# Altium PCB Thermostat_8CH.PCBDOC (part 6 of 10) (continued)
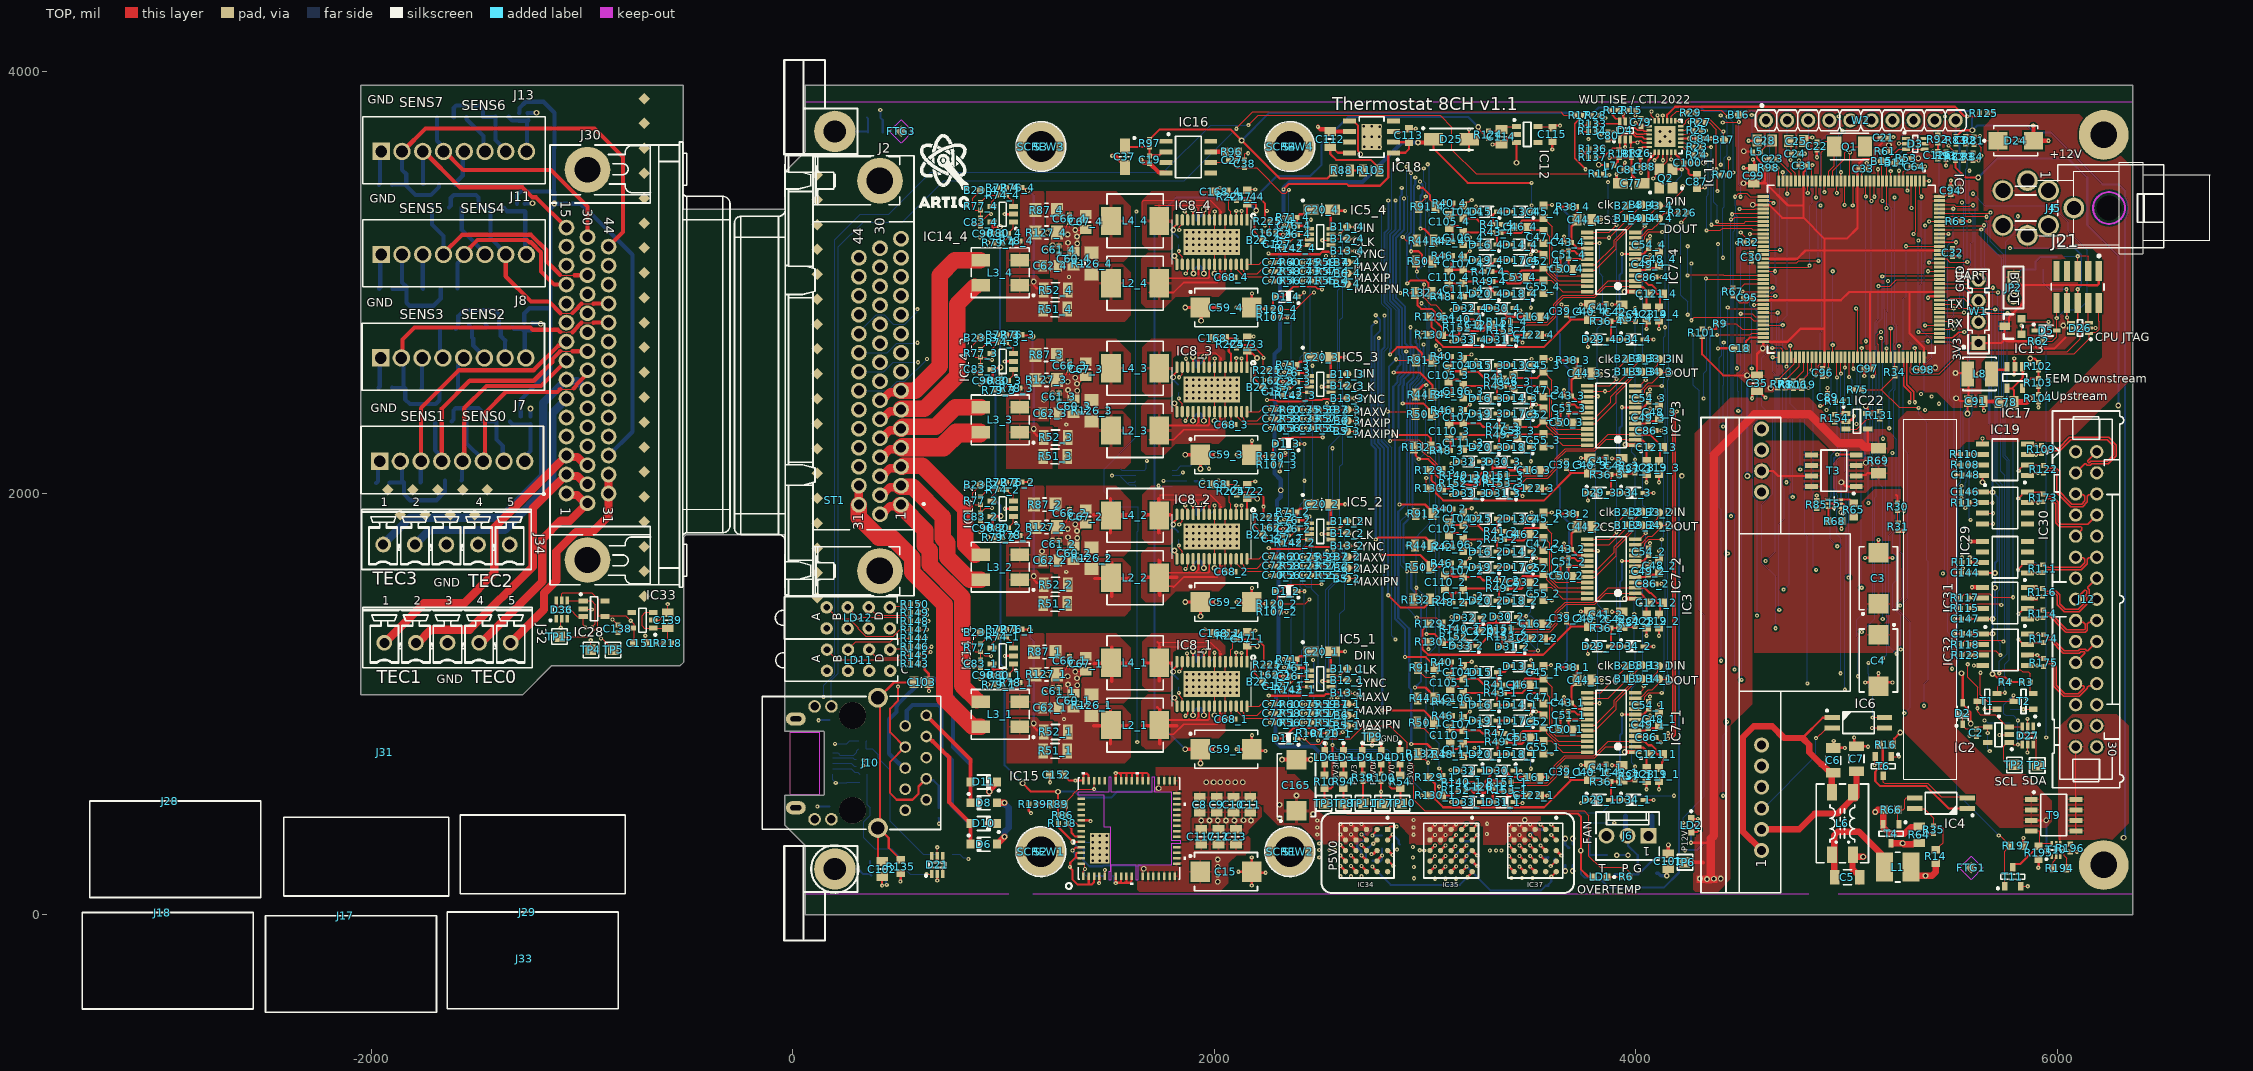
[diagram p0: TOP view]
## Nets (pads, with @x,y where several pads share a name; then routed paths per layer and width w, separated by ;. In a path a pad name is that pad's centre, name@x,y a point inside that pad or via, vN(x,y) a via of type N, cw(c..) or ccw(c..) an arc to the next point about the centre after c; other vN are vias at no path point) (continued)
NetC45_4_1: C45_4.1 C46_4.1 IC7_4.21 R41_4.2 | length 677.9
  TOP w5: C45_4.1@3561.2,3304.05 3562.19,3304.05 3602.36,3263.87 3602.36,3051.07 3620.03,3033.4 IC7_4.21@3768.53,3033.4
  TOP w10: R41_4.2@3359.44,3275.89 3408.55,3275.89 C46_4.1@3420.46,3263.98 3448.9,3263.98 3454.75,3269.83 3454.75,3287.8 3460.61,3293.66 3550.82,3293.66 C45_4.1@3561.2,3304.05
NetC46_1_2: C46_1.2 C47_1.2 IC7_1.22 R43_1.2 | length 644.9
  TOP w5: C47_1.2@3561.2,1062.63 3562.19,1062.63 3592.36,1032.45 3592.36,861.89 3631.48,822.77 IC7_1.22@3768.53,822.77
  TOP w10: R43_1.2@3377.94,1052.77 3461.21,1052.77 3498.3,1089.86 C46_1.2@3498.3,1090.85 3498.3,1058.63 3504.16,1052.77 3551.34,1052.77 C47_1.2@3561.2,1062.63
NetC46_2_2: C46_2.2 C47_2.2 IC7_2.22 R43_2.2 | length 611.5
  TOP w5: C47_2.2@3561.2,1790.98 3562.19,1790.98 3590.62,1762.54 3590.62,1591.97 3631.48,1551.11 IC7_2.22@3768.53,1551.11 ; 3722.52,1546.47 3722.52,1547.45
  TOP w10: R43_2.2@3377.94,1781.12 3407.23,1781.12 3411.74,1776.61 3468.87,1776.61 C46_2.2@3497.57,1805.31 ; C46_2.2@3497.57,1806.3 C46_2.2@3497.57,1805.31 ; C47_2.2@3561.2,1790.98 3560.56,1791.61 3511.27,1791.61 C46_2.2@3497.57,1805.31
NetC46_3_2: C46_3.2 C47_3.2 IC7_3.22 R43_3.2 | length 593.9
  TOP w5: C47_3.2@3561.2,2519.32 3562.19,2519.32 3590.62,2490.89 3590.62,2320.32 3631.48,2279.46 IC7_3.22@3768.53,2279.46
  TOP w10: R43_3.2@3377.94,2509.46 3551.34,2509.46 C47_3.2@3561.2,2519.32
NetC46_4_2: C46_4.2 C47_4.2 IC7_4.22 R43_4.2 | length 629
  TOP w5: C47_4.2@3561.2,3247.67 3562.19,3247.67 3592.36,3217.49 3592.36,3046.93 3631.48,3007.81 IC7_4.22@3768.53,3007.81
  TOP w10: R43_4.2@3359.44,3237.81 3394.1,3237.81 3397.62,3234.29 3454.75,3234.29 C46_4.2@3483.45,3262.99 ; C46_4.2@3483.45,3263.98 C46_4.2@3483.45,3262.99 ; C47_4.2@3561.2,3247.67 3559.58,3249.29 3497.16,3249.29 C46_4.2@3483.45,3262.99
NetC48_1_2: C48_1.2 C49_1.1 IC7_1.5 | length 122.3
  TOP w10: IC7_1.5@3996.87,873.95 4047.84,873.95 C49_1.1@4058.88,884.99 4100.09,884.99 C48_1.2@4110.34,895.23
NetC48_2_2: C48_2.2 C49_2.1 IC7_2.5 | length 122.3
  TOP w10: IC7_2.5@3996.87,1602.29 4047.84,1602.29 C49_2.1@4058.88,1613.33 4100.09,1613.33 C48_2.2@4110.34,1623.58
NetC48_3_2: C48_3.2 C49_3.1 IC7_3.5 | length 122.3
  TOP w10: IC7_3.5@3996.87,2330.64 4047.84,2330.64 C49_3.1@4058.88,2341.68 4100.09,2341.68 C48_3.2@4110.34,2351.93
NetC48_4_2: C48_4.2 C49_4.1 IC7_4.5 | length 122.3
  TOP w10: IC7_4.5@3996.87,3058.99 4047.84,3058.99 C49_4.1@4058.88,3070.03 4100.09,3070.03 C48_4.2@4110.34,3080.27
NetC50_1_2: C50_1.2 C51_1.1 IC7_1.18 | length 146
  TOP w10: C50_1.2@3700.89,879.49 3700.89,880.47 3681.2,900.16 C51_1.1@3681.2,928.58 3682.93,926.86 3766.8,926.86 IC7_1.18@3768.53,925.13
NetC50_2_2: C50_2.2 C51_2.1 IC7_2.18 | length 146
  TOP w10: C50_2.2@3700.89,1607.83 3700.89,1608.82 3681.2,1628.5 C51_2.1@3681.2,1656.93 3682.93,1655.2 3766.8,1655.2 IC7_2.18@3768.53,1653.47
NetC50_3_2: C50_3.2 C51_3.1 IC7_3.18 | length 146
  TOP w10: C50_3.2@3700.89,2336.18 3700.89,2337.16 3681.2,2356.85 C51_3.1@3681.2,2385.27 3682.93,2383.55 3766.8,2383.55 IC7_3.18@3768.53,2381.82
NetC50_4_2: C50_4.2 C51_4.1 IC7_4.18 | length 146
  TOP w10: C50_4.2@3700.89,3064.53 3700.89,3065.51 3681.2,3085.2 C51_4.1@3681.2,3113.62 3682.93,3111.89 3766.8,3111.89 IC7_4.18@3768.53,3110.17
NetC52_1_1: C52_1.1 C53_1.1 IC7_1.23 R47_1.2 | length 452.8
  TOP w5: C52_1.1@3561.21,885.39 3562.19,885.39 3578.39,869.19 3578.39,861.71 3636.57,803.53 3754.45,803.53 IC7_1.23@3764.67,793.32
  TOP w10: R47_1.2@3380.74,860.3 3385.09,855.96 3423.67,855.96 C53_1.1@3437.37,842.25 ; C53_1.1@3437.37,841.27 C53_1.1@3437.37,842.25 ; C52_1.1@3561.21,885.39 3547.51,871.69 3466.81,871.69 C53_1.1@3437.37,842.25
NetC52_2_1: C52_2.1 C53_2.1 IC7_2.23 R47_2.2 | length 440.1
  TOP w5: C52_2.1@3561.21,1613.73 3562.19,1613.73 3578.39,1597.53 3578.39,1590.06 3636.57,1531.88 3754.45,1531.88 IC7_2.23@3764.67,1521.66
  TOP w10: R47_2.2@3386.93,1586.29 3424.72,1586.29 C53_2.1@3434.31,1576.7 3434.31,1577.69 3463.01,1606.39 3553.86,1606.39 C52_2.1@3561.21,1613.73
NetC52_3_1: C52_3.1 C53_3.1 IC7_3.23 R47_3.2 | length 431.6
  TOP w5: C52_3.1@3561.21,2342.08 3562.19,2342.08 3578.39,2325.88 3578.39,2318.41 3636.57,2260.23 3754.45,2260.23 IC7_3.23@3764.67,2250.01
  TOP w10: R47_3.2@3386.93,2314.64 3532.78,2314.64 3560.22,2342.08 C52_3.1@3561.21,2342.08
NetC52_4_1: C52_4.1 C53_4.1 IC7_4.23 R47_4.2 | length 530.9
  TOP w5: C52_4.1@3561.21,3070.43 3562.19,3070.43 3578.39,3054.23 3578.39,3046.75 3636.57,2988.57 3754.45,2988.57 IC7_4.23@3764.67,2978.36
  TOP w10: R47_4.2@3317.34,3052.45 3390.05,3052.45 3416.2,3026.31 C53_4.1@3416.2,3025.33 3444.63,3025.33 3450.49,3031.18 3450.49,3049.15 3458.06,3056.73 3547.51,3056.73 C52_4.1@3561.21,3070.43
NetC53_1_2: C53_1.2 C55_1.2 IC7_1.24 R49_1.2 | length 441
  TOP w5: C55_1.2@3561.21,826.58 3599.39,826.58 3654.38,771.59 IC7_1.24@3768.53,771.59
  TOP w10: R49_1.2@3381.09,820.54 3383.02,818.61 3407.51,818.61 3414.53,811.59 3460.22,811.59 3466.07,817.44 3466.07,835.41 3471.93,841.27 C53_1.2@3500.37,841.27 3500.37,840.29 3514.07,826.59 3553.07,826.59 C55_1.2@3557.14,822.51
NetC53_2_2: C53_2.2 C55_2.2 IC7_2.24 R49_2.2 | length 437.6
  TOP w5: C55_2.2@3561.21,1554.93 3599.39,1554.93 3654.38,1499.93 IC7_2.24@3768.53,1499.93
  TOP w10: R49_2.2@3386.93,1548.89 3388.8,1547.02 3457.15,1547.02 3463.01,1552.88 3463.01,1570.85 3468.87,1576.7 C53_2.2@3497.3,1576.7 3497.3,1575.72 3511,1562.02 3554.12,1562.02 C55_2.2@3561.21,1554.93
NetC53_3_2: C53_3.2 C55_3.2 IC7_3.24 R49_3.2 | length 401.1
  TOP w5: C55_3.2@3561.21,2283.27 3599.39,2283.27 3654.38,2228.28 IC7_3.24@3768.53,2228.28
  TOP w10: R49_3.2@3386.93,2277.24 3436.57,2277.24 3438.46,2279.12 3557.06,2279.12 C55_3.2@3557.14,2279.2
NetC53_4_2: C53_4.2 C55_4.2 IC7_4.24 R49_4.2 | length 491.2
  TOP w5: C55_4.2@3561.21,3011.62 3599.39,3011.62 3654.38,2956.62 IC7_4.24@3768.53,2956.62
  TOP w10: R49_4.2@3322.75,3005.58 3383.41,3005.58 3393.36,2995.64 3450.49,2995.64 3479.19,3024.34 C53_4.2@3479.19,3025.33 3492.89,3011.62 C55_4.2@3561.2,3011.62
NetC64_1: C64.1 IC9.6 | length 90.1
  TOP w5: IC9.6@5268.81,3482.03 5268.81,3525.07 5284.72,3540.98 5295.52,3540.98 C64.1@5305.23,3550.68
NetC65_2: C65.2 IC11.5 Q2.1 | length 214.3
  TOP w5: v1(4160.14,3494.09) 4160.14,3464.65 Q2.1@4174,3450.79 ; v1(4168.1,3583.86) IC11.5@4168.1,3618.11
  L2 w5: v1(4160.14,3494.09) 4160.14,3571.93 4168.1,3579.88 v1(4168.1,3583.86)
  BOT w5: C65.2@4139.35,3464.78 4157.33,3482.76 4157.33,3491.28 v1(4160.14,3494.09)
NetC68_1_2: C68_1.2 IC8_1.25 | length 69
  TOP w5: IC8_1.25@2078.03,989.96 2079.02,988.98 2079.02,946.47 C68_1.2@2096.73,928.75
NetC68_2_2: C68_2.2 IC8_2.25 | length 69
  TOP w5: IC8_2.25@2078.03,1688.78 2079.02,1687.8 2079.02,1645.29 C68_2.2@2096.73,1627.57
NetC68_3_2: C68_3.2 IC8_3.25 | length 69
  TOP w5: IC8_3.25@2078.03,2387.6 2079.02,2386.61 2079.02,2344.11 C68_3.2@2096.73,2326.39
NetC68_4_2: C68_4.2 IC8_4.25 | length 69
  TOP w5: IC8_4.25@2078.03,3086.42 2079.02,3085.43 2079.02,3042.93 C68_4.2@2096.73,3025.21
NetC71_1_1: C71_1.1 R55_1.2 R56_1.1 | length 150.8
  TOP w5: R56_1.1@2406.3,911.7 2406.3,912.49 2425.22,931.4 2479.31,931.4 C71_1.1@2499.02,911.7 R55_1.2@2540.35,911.7
NetC71_2_1: C71_2.1 R55_2.2 R56_2.1 | length 150.8
  TOP w5: R56_2.1@2406.3,1610.52 2406.3,1611.3 2425.22,1630.22 2479.31,1630.22 C71_2.1@2499.02,1610.52 R55_2.2@2540.35,1610.52
NetC71_3_1: C71_3.1 R55_3.2 R56_3.1 | length 150.8
  TOP w5: R56_3.1@2406.3,2309.34 2406.3,2310.12 2425.22,2329.04 2479.31,2329.04 C71_3.1@2499.02,2309.34 R55_3.2@2540.35,2309.34
NetC71_4_1: C71_4.1 R55_4.2 R56_4.1 | length 150.8
  TOP w5: R56_4.1@2406.3,3008.15 2406.3,3008.94 2425.22,3027.86 2479.31,3027.86 C71_4.1@2499.02,3008.15 R55_4.2@2540.35,3008.15
NetC73_1_1: C73_1.1 R57_1.2 R58_1.1 | length 153.4
  TOP w5: R58_1.1@2406.3,956.14 2406.3,956.93 2426.92,977.54 2477.61,977.54 C73_1.1@2499.02,956.14 R57_1.2@2541.54,956.14
NetC73_2_1: C73_2.1 R57_2.2 R58_2.1 | length 153.4
  TOP w5: R58_2.1@2406.3,1654.96 2406.3,1655.74 2426.92,1676.36 2477.61,1676.36 C73_2.1@2499.02,1654.96 R57_2.2@2541.54,1654.96
NetC73_3_1: C73_3.1 R57_3.2 R58_3.1 | length 153.4
  TOP w5: R58_3.1@2406.3,2353.78 2406.3,2354.56 2426.92,2375.18 2477.61,2375.18 C73_3.1@2499.02,2353.78 R57_3.2@2541.54,2353.78
NetC73_4_1: C73_4.1 R57_4.2 R58_4.1 | length 153.4
  TOP w5: R58_4.1@2406.3,3052.59 2406.3,3053.38 2426.92,3074 2477.61,3074 C73_4.1@2499.02,3052.59 R57_4.2@2541.54,3052.59
NetC75_1_1: C75_1.1 R59_1.2 R60_1.1 | length 162.1
  TOP w5: R60_1.1@2406.3,999.31 2425.02,1018.03 2488.21,1018.03 2491.14,1015.1 2491.14,997.84 2540.06,997.84 R59_1.2@2541.54,999.31
NetC75_2_1: C75_2.1 R59_2.2 R60_2.1 | length 162.1
  TOP w5: R60_2.1@2406.3,1698.13 2425.02,1716.85 2488.21,1716.85 2491.14,1713.92 2491.14,1696.66 2540.06,1696.66 R59_2.2@2541.54,1698.13
NetC75_3_1: C75_3.1 R59_3.2 R60_3.1 | length 162.1
  TOP w5: R60_3.1@2406.3,2396.95 2425.02,2415.67 2488.21,2415.67 2491.14,2412.74 2491.14,2395.48 2540.06,2395.48 R59_3.2@2541.54,2396.95
NetC75_4_1: C75_4.1 R59_4.2 R60_4.1 | length 162.1
  TOP w5: R60_4.1@2406.3,3095.77 2425.02,3114.49 2488.21,3114.49 2491.14,3111.56 2491.14,3094.3 2540.06,3094.3 R59_4.2@2541.54,3095.77
NetC82_2: C82.2 D28.2 R121.1 T8.1 | length 188
  BOT w10: C82.2@3775.11,381.1 3779.74,376.47 D28.2@3779.74,278.82 3783.68,282.75 T8.1@3861.92,282.75
NetC86_1_1: C86_1.1 IC7_1.4 | length 62.2
  TOP w10: IC7_1.4@3996.87,848.36 4000.42,844.81 C86_1.1@4057.58,844.81
NetC86_2_1: C86_2.1 IC7_2.4 | length 67.2
  TOP w10: IC7_2.4@3996.87,1576.7 4000.42,1573.16 4057.58,1573.16 C86_2.1@4061.12,1569.62
NetC86_3_1: C86_3.1 IC7_3.4 | length 67.2
  TOP w10: IC7_3.4@3996.87,2305.05 4000.42,2301.51 4057.58,2301.51 C86_3.1@4061.12,2297.96
NetC86_4_1: C86_4.1 IC7_4.4 | length 62.2
  TOP w10: IC7_4.4@3996.87,3033.4 4000.42,3029.85 C86_4.1@4057.58,3029.85
NetC87_2: C87.2 C100.2 IC11.6 | length 169.2
  TOP w10: IC11.6@4187.78,3618.11 4188.3,3617.6 4188.3,3609.53 4204.61,3593.21 4204.61,3591.44 4235.34,3560.71 4235.34,3548.37 4249.48,3534.23 4249.48,3518.14 4256.8,3510.83 C87.2@4290.15,3510.83
NetC102_1: C102.1 C103.1 J10.S1 J10.S2 R135.2 | length 1200.9
  TOP w10: J10.S2@403.12,412.01 403.12,268.11 418.79,252.44 C102.1@423.4,252.44 ; J10.S2@403.12,415.95 410.8,408.27 J10.S2@413.54,405.52 ; R135.2@511.81,259.84 509.84,259.84 497.13,272.56 497.13,274.53 454.61,317.04 454.61,364.45 J10.S2@413.54,405.52 ; C103.1@574.8,1102.36 479.69,1102.36 403.12,1025.79 413.54,1015.36 J10.S2@413.54,405.52
NetC104_1_1: C104_1.1 C105_1.1 D13_1.2 D15_1.1 R40_1.2 R41_1.1 | length 446.6
  TOP w10: R40_1.2@3125.97,1198.56 3125.97,1139.85 C105_1.1@3119,1132.87 3132.7,1119.17 3177.28,1119.17 C104_1.1@3180.79,1115.66 ; C104_1.1@3180.79,1119.32 3250.76,1119.32 3279.24,1090.85 R41_1.1@3340.94,1090.85 3340.94,1147.57 3344.36,1150.99 3376.77,1150.99 3388.06,1162.28 3388.06,1174.75 3392.9,1179.6 D13_1.2@3400.78,1179.6
NetC104_2_1: C104_2.1 C105_2.1 D13_2.2 D15_2.1 R40_2.2 R41_2.1 | length 444.4
  TOP w10: C105_2.1@3113.5,1862.65 3114.48,1862.65 3128.18,1876.35 3128.18,1921.91 R40_2.2@3132,1925.73 ; C105_2.1@3113.78,1862.65 3127.48,1848.95 3175.85,1848.95 C104_2.1@3180.79,1844.01 ; C104_2.1@3180.79,1847.67 3250.76,1847.67 3279.24,1819.19 R41_2.1@3340.94,1819.19 3340.94,1875.91 3344.71,1879.69 3408.97,1879.69 D13_2.2@3409.01,1879.65
NetC104_3_1: C104_3.1 C105_3.1 D13_3.2 D15_3.1 R40_3.2 R41_3.1 | length 439.2
  TOP w10: R40_3.2@3124.55,2649.83 3124.55,2606.37 C105_3.1@3111,2592.82 3124.7,2579.11 3174.03,2579.11 C104_3.1@3180.79,2572.35 ; C104_3.1@3180.79,2576.02 3250.76,2576.02 3279.24,2547.54 R41_3.1@3340.94,2547.54 3340.94,2604.26 3344.71,2608.04 3408.97,2608.04 D13_3.2@3409.01,2607.99
NetC104_4_1: C104_4.1 C105_4.1 D13_4.2 D15_4.1 R40_4.2 R41_4.1 | length 422.3
  TOP w10: C105_4.1@3114.88,3320.8 C105_4.1@3127.48,3320.8 ; R40_4.2@3133.38,3376.96 3133.38,3349.76 3129.57,3345.94 3129.57,3322.89 C105_4.1@3127.48,3320.8 ; C104_4.1@3180.79,3304.36 3179.81,3304.36 3163.37,3320.8 C105_4.1@3127.48,3320.8 ; C104_4.1@3183.47,3300.7 3187.13,3304.36 3241.51,3304.36 3269.98,3275.89 R41_4.1@3322.43,3275.89 3322.43,3321.98 3336.84,3336.38 3408.97,3336.38 D13_4.2@3409.01,3336.34
NetC105_1_2: C105_1.2 C106_1.2 D14_1.2 D16_1.1 R42_1.2 R43_1.1 | length 420.2
  TOP w10: R42_1.2@3129.53,1011.64 3129.53,1059.35 C105_1.2@3119,1069.88 3132.7,1083.58 3143.69,1083.58 3144.11,1084.01 3154.1,1084.01 3179.81,1058.3 3180.79,1058.3 3186.32,1052.77 R43_1.1@3340.94,1052.77 3340.94,996.91 D16_1.1@3342.49,995.35 D14_1.2@3401.32,995.34
NetC105_2_2: C105_2.2 C106_2.2 D14_2.2 D16_2.1 R42_2.2 R43_2.1 | length 425.4
  TOP w10: R42_2.2@3129.51,1744.01 3128.18,1745.33 3128.18,1785.95 3114.48,1799.66 C105_2.2@3113.5,1799.66 3126.2,1812.35 3154.1,1812.35 3179.81,1786.65 3180.79,1786.65 3186.32,1781.12 R43_2.1@3340.94,1781.12 3340.94,1725.25 D16_2.1@3342.49,1723.7 D14_2.2@3401.32,1723.69
NetC105_3_2: C105_3.2 C106_3.2 D14_3.2 D16_3.1 R42_3.2 R43_3.1 | length 430.7
  TOP w10: R42_3.2@3124.55,2469 3124.55,2516.27 C105_3.2@3111,2529.82 3121.88,2540.7 3154.1,2540.7 3179.81,2514.99 3180.79,2514.99 3186.32,2509.46 R43_3.1@3340.94,2509.46 3340.94,2453.6 D16_3.1@3342.49,2452.04 D14_3.2@3401.32,2452.04
NetC105_4_2: C105_4.2 C106_4.2 D14_4.2 D16_4.1 R42_4.2 R43_4.1 | length 417.9
  TOP w10: R42_4.2@3129.51,3196.17 3129.51,3244.11 3115.8,3257.81 C105_4.2@3114.88,3257.81 3126.12,3269.05 3154.1,3269.05 3179.81,3243.34 3180.79,3243.34 3186.32,3237.81 R43_4.1@3322.43,3237.81 3322.43,3237.02 3340.94,3218.52 3340.94,3185.23 3342.49,3183.67 D16_4.1@3342.49,3180.39 D14_4.2@3401.32,3180.38
NetC107_1_1: C107_1.1 C110_1.1 D17_1.2 D19_1.1 R46_1.2 R47_1.1 | length 418
  TOP w10: R46_1.2@3129.53,944 3129.53,893.62 C110_1.1@3119.22,883.32 3126.88,875.66 3178.71,875.66 3180.79,873.58 3259.76,873.58 3273.03,860.3 R47_1.1@3343.73,860.3 D19_1.1@3343.73,916.36 ; D19_1.1@3342.49,921.2 3345.08,918.61 D19_1.1@3345.08,916.36 ; D19_1.1@3345.08,921.2 D17_1.2@3402.17,921.19
NetC107_2_1: C107_2.1 C110_2.1 D17_2.2 D19_2.1 R46_2.2 R47_2.1 | length 446.6
  TOP w10: C110_2.1@3094.6,1609.18 3126.3,1609.18 ; R46_2.2@3124.78,1668.78 3126.3,1667.26 3126.3,1609.18 ; R47_2.1@3349.92,1586.29 3277.31,1586.29 3261.67,1601.92 3180.79,1601.92 3178.71,1604.01 3131.48,1604.01 3126.3,1609.18 ; R47_2.1@3349.92,1587.08 3349.92,1644.7 3345.08,1649.54 D17_2.2@3402.17,1649.54
NetC107_3_1: C107_3.1 C110_3.1 D17_3.2 D19_3.1 R46_3.2 R47_3.1 | length 433.2
  TOP w10: C110_3.1@3114.48,2325.89 C110_3.1@3120.94,2332.35 ; R46_3.2@3124.93,2394.27 3124.93,2336.34 C110_3.1@3120.94,2332.35 ; D19_3.1@3342.49,2377.89 D17_3.2@3402.17,2377.89 ; D19_3.1@3345.08,2377.89 3349.92,2373.05 R47_3.1@3349.92,2315.42 ; R47_3.1@3349.92,2314.64 3277.31,2314.64 3261.67,2330.27 3180.79,2330.27 3178.71,2332.35 C110_3.1@3120.94,2332.35
NetC107_4_1: C107_4.1 C110_4.1 D17_4.2 D19_4.1 R46_4.2 R47_4.1 | length 387.7
  TOP w10: R46_4.2@3129.51,3127.6 3129.51,3097.37 3126.67,3094.53 3126.67,3071.51 3112.97,3057.81 C110_4.1@3111.99,3057.81 3114.88,3060.7 3178.71,3060.7 3186.95,3052.45 R47_4.1@3280.33,3052.45 3280.33,3053.24 3307.62,3080.53 3308.9,3080.53 3334.61,3106.24 D19_4.1@3342.49,3106.24 ; D19_4.1@3349.92,3106.24 D17_4.2@3402.17,3106.23
NetC109_2: C109.2 D21.5 FB1.1 R73.2 | length 810
  TOP w5: D21.5@685.04,279.53 685.04,320.26 v1(685.19,320.41)
  BOT w5: C109.2@347.34,825 348.72,823.62 FB1.1@348.72,787.6 375.79,787.6 404.24,759.14 404.24,742.52 461.39,685.37 461.39,444.12 619.09,286.42 R73.2@691.93,286.42 ; R73.2@685.19,291.23 v1(685.19,320.41)
NetC110_1_2: C110_1.2 C111_1.2 D18_1.2 D20_1.1 R48_1.2 R49_1.1 | length 410.9
  TOP w10: C110_1.2@3119.22,820.33 3126.3,813.25 3126.3,795.41 3134.79,786.92 3135.65,786.92 ; R48_1.2@3129.53,761.58 3126.3,764.8 3126.3,777.57 3135.65,786.92 ; D18_1.2@3399.39,762.01 D20_1.1@3341.68,762.01 3344.08,764.41 R49_1.1@3344.08,820.54 3186.56,820.54 3180.79,814.77 3179.8,814.77 3151.96,786.92 3135.65,786.92
NetC110_2_2: C110_2.2 C111_2.2 D18_2.2 D20_2.1 R48_2.2 R49_2.1 | length 429.1
  TOP w10: C110_2.2@3094.6,1546.19 3095.59,1546.19 3117.35,1524.42 3126.3,1524.42 ; R48_2.2@3132,1484.01 3126.3,1489.71 3126.3,1524.42 ; D18_2.2@3399.39,1490.35 3345.25,1490.36 3349.92,1495.03 3349.92,1544.22 3345.25,1548.89 3186.56,1548.89 3167.09,1529.41 3146.1,1529.41 3141.11,1524.42 3126.3,1524.42
NetC110_3_2: C110_3.2 C111_3.2 D18_3.2 D20_3.1 R48_3.2 R49_3.1 | length 419.1
  TOP w10: C110_3.2@3114.48,2262.9 C110_3.2@3121.48,2255.9 ; R48_3.2@3121.48,2202.62 3121.48,2251.08 C110_3.2@3126.3,2255.9 ; C110_3.2@3126.3,2252.77 3126.3,2254.89 3129.17,2257.76 3167.09,2257.76 3186.56,2277.24 3345.25,2277.24 3349.92,2272.56 3349.92,2223.55 3345.08,2218.7 D20_3.1@3341.68,2218.7 D18_3.2@3399.39,2218.7
NetC110_4_2: C110_4.2 C111_4.2 D18_4.2 D20_4.1 R48_4.2 R49_4.1 | length 390.4
  TOP w10: R48_4.2@3124.55,2931.85 3124.55,2982.25 C110_4.2@3111.99,2994.81 3175.79,2994.81 3186.56,3005.58 R49_4.1@3285.75,3005.58 3285.75,3004.79 3310.56,2979.98 3310.56,2970.29 3333.8,2947.05 D20_4.1@3341.68,2947.05 D18_4.2@3399.39,2947.05
NetC112_1: C112.1 IC18.8 R105.2 | length 389.6
  TOP w10: C112.1@2550,3644 2550,3610 2577.72,3582.28 2741.95,3582.28 2783.37,3540.86 R105.2@2783.37,3532 ; C112.1@2565.45,3636.32 2585.83,3615.94 IC18.8@2641.73,3615.94
NetC114_1: C114.1 IC12.1 R124.2 | length 140.9
  TOP w5: R124.2@3300.75,3720.28 3356.01,3720.28 3376.22,3740.49 IC12.1@3433.3,3740.49
NetC118_1: C118.1 IC15.48 IC15.57 R86.1 R89.2 | length 409
  TOP w5: R89.2@1287,523 1299.02,510.98 R86.1@1299.02,473.22 ; R89.2@1287.32,524.41 1287.32,526.37 1330,569.05 1330,573 1353.09,596.09 1424.09,596.09 v1@1425,597 ; R86.1@1302,473 1302,469.45 1334.45,437 1342.38,437 1357.34,422.04 IC15.57@1369.15,422.04 ; v1(1429.19,596.09) IC15.48@1429.19,635.63
  L2 w5: v1@1429.19,593.19 v1(1429.19,596.09)
  BOT w5: v1@1430,596 1432.12,596 1442.87,585.25 C118.1@1475.81,585.25
NetC120_1_1: C120_1.1 C122_1.2 D31_1.2 D33_1.1 R152_1.2 R153_1.1 | length 451.9
  TOP w10: R152_1.2@3193.27,591.75 3217.16,591.75 3223.02,585.9 3223.02,584.66 3228.88,578.8 3286.01,578.8 3314.71,607.5 C120_1.1@3314.71,608.49 3320.81,602.39 3320.81,576.01 ; D33_1.1@3263.53,534.67 D31_1.2@3320.81,534.67 3320.81,576.01 ; R153_1.1@3370.81,589.79 R153_1.1@3370.81,589 ; C122_1.2@3483.01,566.16 3393.65,566.16 R153_1.1@3370.81,589 ; 3320.81,576.01 3341.83,576.01 3348.41,582.58 3364.39,582.58 R153_1.1@3370.81,589
NetC120_2_1: C120_2.1 C122_2.2 D31_2.2 D33_2.1 R152_2.2 R153_2.1 | length 442.1
  TOP w10: R152_2.2@3182.83,1320.2 3182.83,1319.41 3205.55,1296.69 3217.65,1296.69 3237.18,1277.16 3256.18,1277.16 3308.27,1329.25 3310.47,1329.25 C120_2.1@3324.17,1342.96 ; C120_2.1@3324.17,1343.94 C120_2.1@3324.17,1342.96 ; D31_2.2@3362.23,1271.22 3362.23,1290.39 3364.39,1292.55 3364.39,1311.72 R153_2.1@3370.81,1318.13 ; C122_2.2@3501.75,1311.02 3499.22,1308.49 3446.42,1308.49 3433.86,1295.93 3392.23,1295.93 3370.81,1317.35 R153_2.1@3370.81,1318.13 ; C120_2.1@3324.17,1342.96 3348.99,1318.13 R153_2.1@3370.81,1318.13
NetC120_3_1: C120_3.1 C122_3.2 D31_3.2 D33_3.1 R152_3.2 R153_3.1 | length 460.8
  TOP w10: R152_3.2@3179.67,2048.45 3185.53,2042.59 3206.09,2042.59 3209.19,2039.49 3254.87,2039.49 3260.73,2045.35 3260.73,2063.32 3266.59,2069.17 C120_3.1@3295.02,2069.17 3295.02,2068.19 3320.81,2042.4 3320.81,2032.7 ; D33_3.1@3265.26,2001.2 D31_3.2@3320.81,2001.2 3320.81,2032.7 ; C122_3.2@3483.01,2022.86 3364.58,2022.86 3358.73,2028.71 3358.73,2040.06 R153_3.1@3352.31,2046.48 3345.89,2040.06 3345.89,2039.37 3327.48,2039.37 3320.81,2032.7
NetC120_4_1: C120_4.1 C122_4.2 D31_4.2 D33_4.1 R152_4.2 R153_4.1 | length 479.4
  TOP w10: R152_4.2@3199.29,2784.53 3199.29,2783.74 3212.78,2770.25 3275.74,2770.25 3281.6,2776.11 3281.6,2794.08 3287.46,2799.94 C120_4.1@3315.89,2799.94 ; D33_4.1@3263.53,2729.55 D31_4.2@3320.81,2729.55 3320.81,2757.36 3315.89,2762.28 C120_4.1@3315.89,2799.94 ; C120_4.1@3315.89,2798.96 3340.02,2774.83 R153_4.1@3368.42,2774.83 3368.42,2774.04 3391.26,2751.2 C122_4.2@3483.01,2751.2 ; C120_4.1@3317.86,2815.69 3317.86,2801.91 C120_4.1@3315.89,2799.94
NetC128_2: C128.2 J7.8 L10.1 R155.2 | length 289.2
  BOT w19.68: R155.2@-1343.5,2341 -1343.5,2339.03 -1335.63,2331.16 -1333.66,2331.16 -1329.39,2326.89 L10.1@-1288,2326.89 -1247.39,2326.89 C128.2@-1245,2329.28 -1245,2200.45 -1272.57,2172.88 J7.8@-1272.57,2157.96
NetC129_2: C129.2 J8.8 L11.1 R161.2 | length 214.4
  BOT w19.68: R161.2@-1331.5,2789 -1331.5,2787.03 -1323.63,2779.16 -1285.16,2779.16 L11.1@-1279,2773 ; J8.8@-1272,2655 -1272.64,2655.64 -1272.64,2769.92 -1274.61,2771.89 L11.1@-1275,2771.89 -1273.03,2773.86 -1243.14,2773.86 C129.2@-1241,2776
NetC130_2: C130.2 J11.8 L12.1 R166.2 | length 310.2
  BOT w19.68: R166.2@-1372.01,3356 -1372.01,3354.03 -1356.26,3338.28 C130.2@-1273,3338.28 -1270.64,3335.92 -1270.64,3145.02 J11.8@-1264.67,3139.06
NetC131_2: C131.2 J13.8 L13.1 R180.2 | length 249.7
  BOT w19.68: R180.2@-1348.5,3788 -1348.5,3786.03 -1332.33,3769.86 -1301.97,3769.86 L13.1@-1300,3767.89 C131.2@-1260.39,3767.89 ; C131.2@-1260,3768.28 C131.2@-1260.39,3767.89 ; J13.8@-1256,3626 -1262.31,3632.31 -1262.31,3765.97 C131.2@-1260.39,3767.89 ; C131.2@-1255,3770 -1257.11,3767.89 C131.2@-1260.39,3767.89
NetC139_1: C139.1 IC33.1 IC33.3 R218.2 | length 315.4
  TOP w5: IC33.3@-663.23,1435.04 -700.96,1435.04 -716,1420 -716,1371 -705.24,1360.24 IC33.1@-663.23,1360.24 -596.3,1360.24 C139.1@-594.33,1362.2 -594.33,1308.66 -575.83,1290.16 R218.2@-575.83,1289.37
NetC152_2: C152.2 IC15.2 IC15.3 IC15.49 IC15.50 IC15.62 IC15.63 | length 1004.7
  TOP w10: C152.2@1283.03,664.86 1283.03,663.87 1296.73,650.17 1297.71,650.17 1311.35,636.53 v1(1340.14,636.53) 1377.1,636.53 IC15.50@1378.01,635.63 ; IC15.63@1365,268 1363.59,269.41 1349.88,269.41 1343.64,275.64 ; IC15.62@1369.15,294.09 1368.25,293.19 1348.19,293.19 1342.66,287.66 1342.66,276.62 1343.64,275.64 ; IC15.50@1378,636 1378,663.14 1383.86,669 1396,669 1402.7,662.3 1402.7,636.53 IC15.49@1403.6,635.63 ; 1403,146 1403.6,146.6 IC15.2@1403.6,182.87 ; IC15.3@1429,181 1428.29,180.29 1428.29,153.29 1419,144 1350,144 1326,168 1326,212.59 1314.12,224.47 v1(1314.12,227.09) 1315.97,228.95 1315.97,246.97 1343.64,274.64 1343.64,275.64
  L2 w10: v1(1314.12,227.09) 1314.12,253.86 1365,304.74 1365,431.97 1340.14,456.83 v1(1340.14,636.53)
NetC159_1: C159.1 IC34.A2 IC35.A2 IC37.A2 | length 962.9
  TOP w10: IC34.A2@2822.11,357.07 v1@2842.95,378.02 ; v1@2842.95,377.91 v1@2842.95,378.02 ; v1@2842.95,383.95 v1@2842.95,378.02 ; v1(2846.01,381.1) v1@2842.95,378.02 ; IC35.A2@3223.25,354.71 v1@3244.09,375.66 ; v1@3244.09,375.55 v1@3244.09,375.66 ; v1@3244.09,381.59 v1@3244.09,375.66 ; v1(3247.15,378.74) v1@3244.09,375.66 ; v1(3598.32,378.45) IC37.A2@3622.36,354.55
  L2 w10: v1(2846.01,381.1) 2868.22,358.9 3227.3,358.9 v1(3247.15,378.74) 3267.28,358.61 3578.48,358.61 v1(3598.32,378.45)
  BOT w10: v1(2846.01,381.1) 2874.72,352.39 2874.72,338.41 C159.1@2880.54,332.59
NetC160_1: C160.1 R220.2 ST1.1 | length 228.6
  BOT w10: ST1.1@199.06,3717 351.38,3717 C160.1@355.31,3713.06 355.31,3779.17 R220.2@352.07,3782.42
NetC161_1: C161.1 R223.2 ST1.0 | length 248.2
  BOT w10: ST1.0@199.06,217 309.58,217 333.66,192.91 365.72,192.91 C161.1@366.41,192.23 ; R223.2@366.41,255.4 C161.1@366.41,192.23 ; C161.1@371.62,187.01 C161.1@366.41,192.23
NetC162_1_2: C162_1.2 IC8_1.13 R225_1.2 | length 533.2
  TOP w5: v1(1833.55,1154) 1847.72,1168.17 IC8_1.13@1847.72,1200.98 ; v1(2225.28,1145.56) 2229.26,1145.56 2234.81,1140.01 C162_1.2@2252.06,1140.01 2252.06,1176.95 R225_1.2@2260.78,1185.67
  L2 w5: v1(1833.55,1154) 1835.66,1154 1843.82,1162.16 2206.32,1162.16 2221.39,1147.09 2223.76,1147.09 v1(2225.28,1145.56)
NetC162_2_2: C162_2.2 IC8_2.13 R225_2.2 | length 543.3
  TOP w5: v1@1833.55,1855.51 v1(1833.55,1852.13) 1847.72,1866.3 IC8_2.13@1847.72,1899.8 ; v1@2237.99,1837.56 2260.04,1837.56 2260.04,1883.73 R225_2.2@2259.25,1884.51
  L2 w5: v1(1833.55,1852.13) 1853.44,1852.13 1861.37,1860.06 2214.8,1860.06 2237.3,1837.56 v1@2237.99,1837.56
  other v1: 2237.01,1837.56
NetC162_3_2: C162_3.2 IC8_3.13 R225_3.2 | length 548.1
  TOP w5: v1@1832.83,2554.91 v1(1832.83,2550.94) 1847.72,2565.82 IC8_3.13@1847.72,2598.62 ; v1(2237.39,2537.93) 2260.55,2537.93 2262.8,2535.69 2262.8,2578.94 R225_3.2@2259.88,2581.86
  L2 w5: v1(1832.83,2550.94) 1853.43,2550.94 1861.37,2558.88 2212.72,2558.88 2233.67,2537.93 v1(2237.39,2537.93)
NetC162_4_2: C162_4.2 IC8_4.13 R225_4.2 | length 548
  TOP w5: v1(1833.52,3249.27) 1833.52,3265.86 1847.72,3280.06 IC8_4.13@1847.72,3297.44 ; v1(2228.14,3241.58) 2232.11,3241.58 2237.51,3236.18 C162_4.2@2256.89,3236.18 2263.32,3242.61 R225_4.2@2263.32,3291.71
  L2 w5: v1(1833.52,3249.27) 1852.94,3249.27 1861.37,3257.7 2113.59,3257.7 2129.71,3241.58 v1(2228.14,3241.58)
NetC168_1_2: C168_1.2 IC8_1.4 R224_1.2 | length 208.2
  TOP w5: C168_1.2@2056.18,1335.89 2066.36,1346.07 2102.36,1346.07 2105.59,1342.84 2086.67,1323.92 2086.67,1265.68 2078.03,1257.04 IC8_1.4@2078.03,1200.98
NetC168_2_2: C168_2.2 IC8_2.4 R224_2.2 | length 203.6
  TOP w5: C168_2.2@2053.56,2041.94 2091.04,2041.94 2105.62,2027.36 2096.7,2018.44 2096.7,2017.66 2079.89,2000.85 ; IC8_2.4@2078.03,1899.8 2078.03,1948.47 2070.16,1956.35 2070.16,1991.14 2079.86,2000.85
NetC168_3_2: C168_3.2 IC8_3.4 R224_3.2 | length 203.5
  TOP w10: C168_3.2@2051.51,2735.21 2094.95,2735.21 R224_3.2@2103.98,2726.18 ; IC8_3.4@2078.03,2598.62 2078.03,2662.77 2068.19,2672.61 2068.19,2690.39 R224_3.2@2103.98,2726.18 ; R224_3.2@2104.77,2726.18 R224_3.2@2103.98,2726.18
NetC168_4_2: C168_4.2 IC8_4.4 R224_4.2 | length 195.8
  TOP w5: C168_4.2@2058.88,3430.72 2099.08,3430.72 2104.8,3425 2095.89,3416.08 2095.89,3415.3 2079.08,3398.48 2077.9,3398.48 2068.19,3388.78 2068.19,3346.72 2078.03,3336.87 IC8_4.4@2078.03,3297.44
NetD1_1_2: D1_1.2 IC38_1.1 R107_1.1 R120_1.1 | length 349.3
  TOP w8: D1_1.2@2280.51,836.37 D1_1.2@2288.39,836.37 2325.79,836.37 2374.53,885.11 2478.54,885.11 2496.65,867 R107_1.1@2501.77,867 ; R107_1.1@2501.77,861.09 2534.9,861.09 R120_1.1@2535.95,860.05 ; R120_1.1@2535.95,860.84 v1@2551.04,875.93
  BOT w8: IC38_1.1@2526.57,912.83 2526.57,902 2541.76,886.82 2550.77,886.82 v1(2552.94,884.65)
NetD1_2_2: D1_2.2 IC38_2.1 R107_2.1 R120_2.1 | length 398.4
  TOP w5: R107_2.1@2277.76,1436.76 2277.76,1475.66 2300.76,1498.66 2300.76,1527.85 D1_2.2@2293.41,1535.19 ; D1_2.2@2290.9,1535.19 D1_2.2@2293.41,1535.19 ; v1(2508.73,1568.83) 2351.31,1568.83 2317.67,1535.19 D1_2.2@2293.41,1535.19
  BOT w5: v1(2508.73,1568.83) 2508.73,1572.81 2513.91,1577.99 IC38_2.1@2513.91,1622.35
NetD1_3_2: D1_3.2 IC38_3.1 R107_3.1 R120_3.1 | length 396.5
  TOP w8: R107_3.1@2277.76,2135.58 R120_3.1@2277.76,2174.95 D1_3.2@2277.76,2240.7 ; D1_3.2@2288.39,2234.01 2296.26,2234.01 2325.15,2262.9 2366.72,2262.9 2369.88,2266.07 v1(2514.29,2266.07)
  BOT w8: v1(2514.29,2266.07) 2516,2267.78 2516,2315.17 IC38_3.1@2517.72,2316.88
NetD1_4_2: D1_4.2 IC38_4.1 R107_4.1 R120_4.1 | length 401.8
  TOP w8: R107_4.1@2277.76,2834.4 R120_4.1@2277.76,2873.77 2277.76,2926.98 2275.98,2926.98 2281.83,2932.83 D1_4.2@2288.39,2932.83 2326.65,2932.83 2373.8,2979.98 2479.76,2979.98 2489.63,2970.1 2508.8,2970.1 v1(2511.03,2967.86)
  BOT w8: v1(2511.03,2967.86) IC38_4.1@2511.03,3013.34
NetD12_1: D12.1 J6.2 T7.3 | length 257.6
  BOT w10: J6.2@3960.73,374.68 3962.89,372.52 3962.89,328.13 4008.95,282.07 T7.3@4008.95,234.36
  BOT w23.62: D12.1@3950.89,467.93 3950.89,398.37 3960.73,388.53 J6.2@3960.73,374.68